# Allegro board 6089-119-RevA_41.brd (continued)
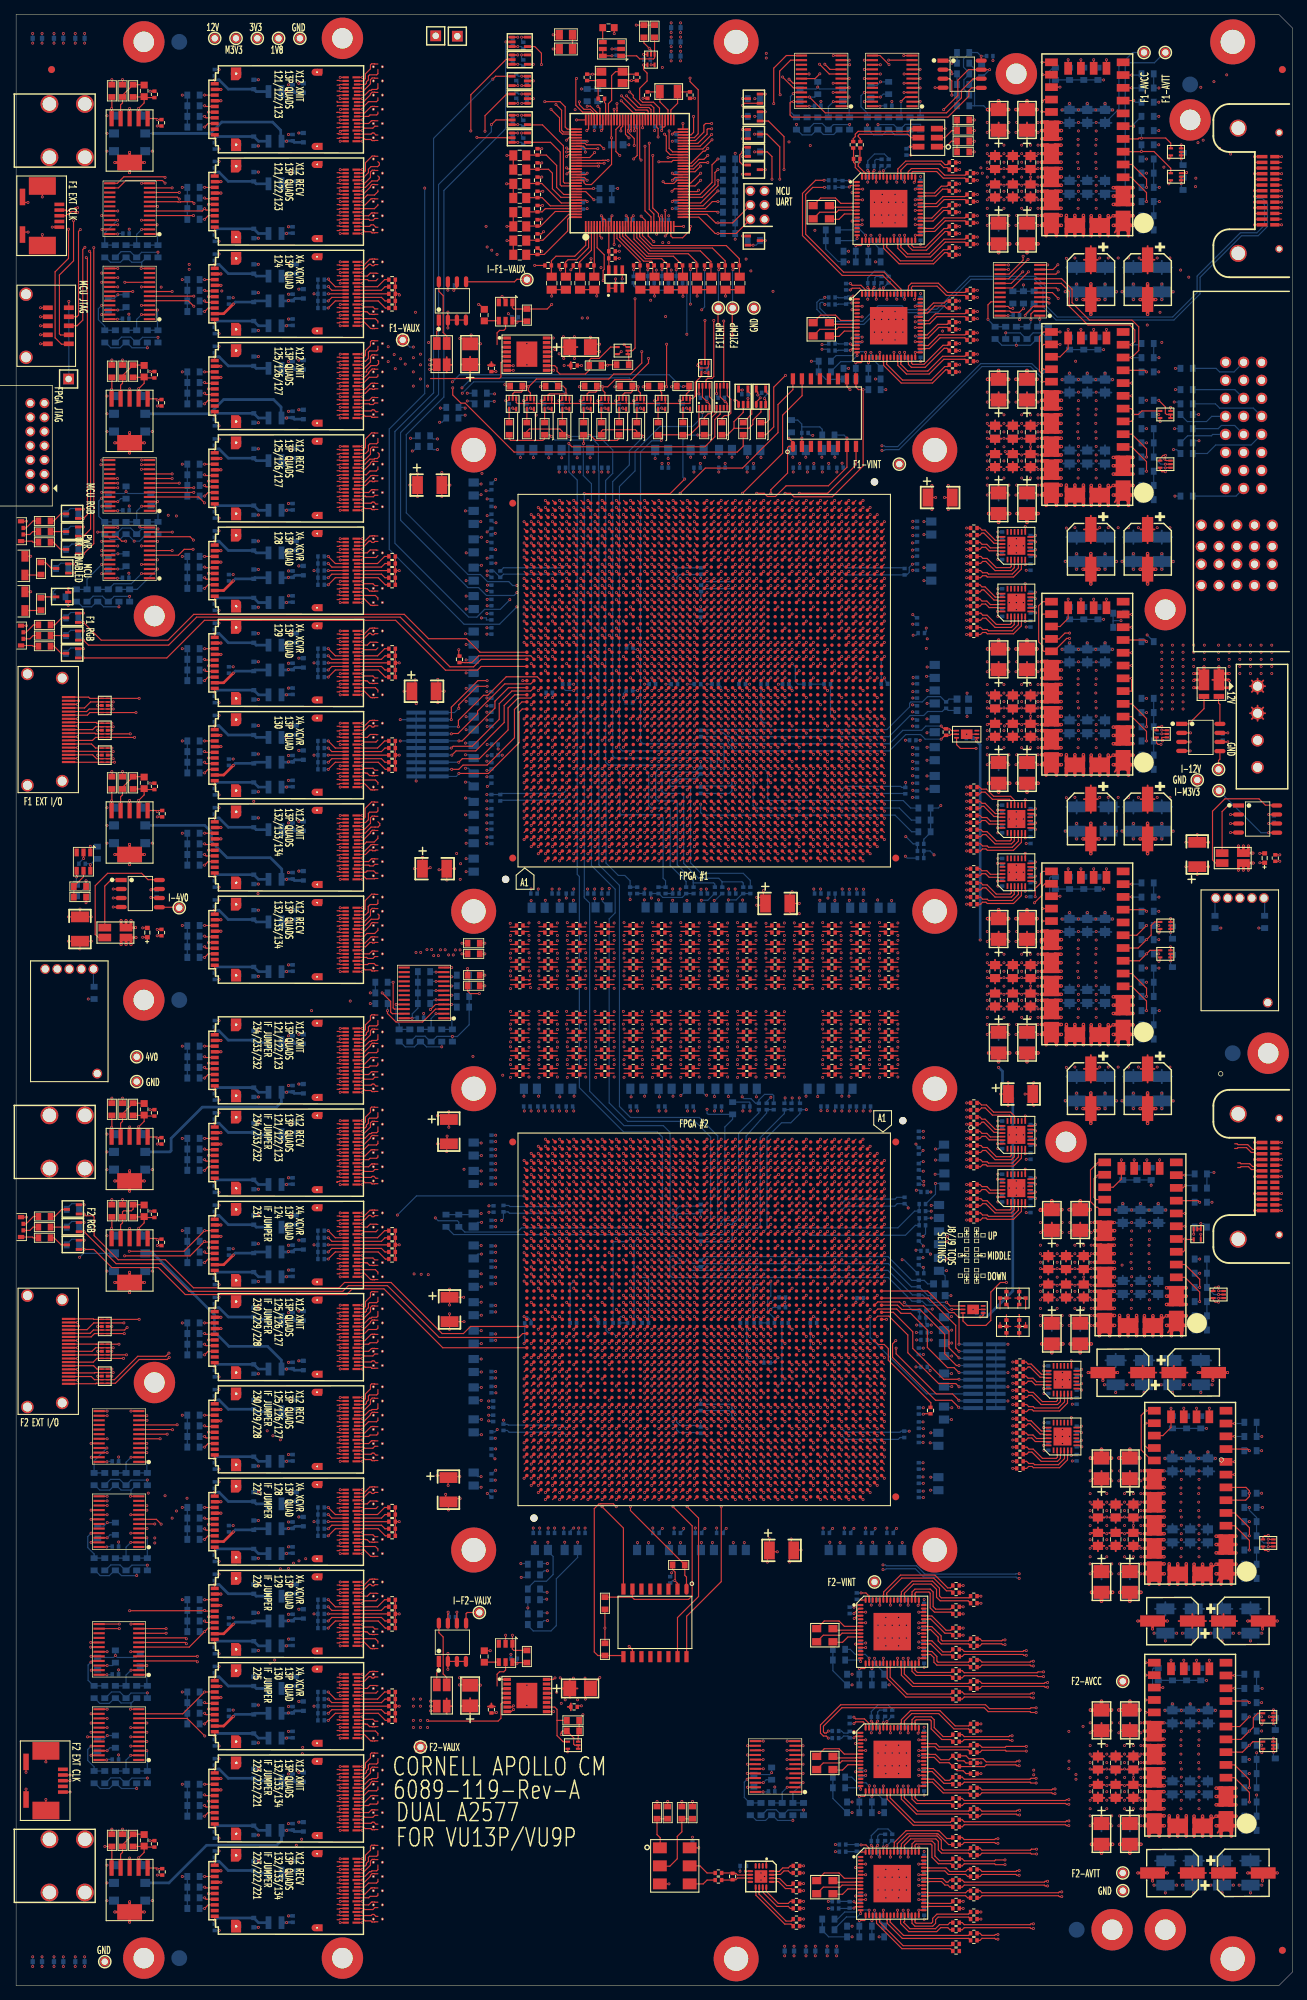
[diagram p0: board, top side]
## Routing (per net, layer and track width the routed paths; a pad name or vN(x,y) marks a point on that pad's centre or on a via; arc(x,y) is an arc through that point) (continued)
; U75.E17 v1(75.61,174.51) ; U77.AN36 v1(89.61,83.51) ; U77.AL5 v1(91.61,115.29) ; U75.F47 v1(76.61,205.29) ; U77.C45 v1(120.39,74.51) ; v1(45.69,261.28) 45.69,261.29 45.7,261.29 45.7,261.29 45.69,261.29 45.69,261.3 45.72,261.3 45.72,261.31 45.69,261.31 45.69,261.33 45.77,261.33 45.77,261.35 45.69,261.35 45.69,261.4 U24A.B16 ; U77.T41 v1(107.39,78.51) ; U31A.B7 v1(45.69,174.9) ; v1(110.4,151.06) 110.4,151.05 109.23,151.05 109.06,151.22 C227.2 ; U75.BJ36 v1(120.39,194.29) ; U41A.B1 v1(45.69,43.9) ; U42A.A1 v1(48.81,30.9) ; U75.BJ16 v1(120.39,173.51) ; U77.BL36 v1(71.61,83.51) ; U75.AC4 v1(93.61,161.51) ; U77.D11 v1(119.39,109.29) ; U77.W38 v1(104.39,81.51) ; U77.BE19 v1(77.61,101.29) ; U75.AY41 v1(111.39,199.29) ; U75.AH2 v1(99.39,159.51) ; U33A.B7 v1(45.69,148.9) ; C227.2 v1(110.4,152.5) ; U77.AN28 v1(89.61,91.51) ; U75.BF46 v1(117.39,204.29) ; U75.D36 v1(74.61,194.29) ; U77.C21 v1(120.39,99.29) ; U75.AJ48 v1(100.39,206.29) ; U77.AD35 v1(99.39,84.51) ; U38A.A16 v1(48.81,75.4) ; U26A.A4 v1(48.81,241.4) ; C11.2 v1(18.89,169.45) ; U77.F45 v1(117.39,74.51) ; v1(86.62,261.35) 86.65,261.35 86.65,261.55 86.7,261.6 U68.80 ; U77.AH29 v1(94.61,90.51) ; U75.AY46 v1(111.39,204.29) ; U77.AN20 v1(89.61,100.29) ; U24A.A13 v1(48.81,262.9) ; U75.AA22 v1(91.61,179.51) ; U77.BF1 v1(76.61,119.29) ; U77.K5 v1(113.39,115.29) ; U75.BF6 v1(117.39,163.51) ; U77.BE35 v1(77.61,84.51) ; U77.B31 v1(121.39,88.51) ; U77.AM21 v1(90.61,99.29) ; U75.J47 v1(79.61,205.29) ; U75.AH15 v1(99.39,172.51) ; U39A.B13 v1(45.69,63.9) ; U123.4 v1(171.19,162.5) ; U77.BH1 v1(74.61,119.29) ; U75.BK46 v1(121.39,204.29) ; U77.AW44 v1(83.61,75.51) ; U75.AC28 v1(93.61,186.29) ; U32A.A7 v1(48.81,161.9) ; U77.F50 v1(117.39,69.51) ; U29A.B4 v1(45.69,202.4) ; U77.BJ16 v1(73.61,104.29) ; U77.AG8 v1(95.61,112.29) ; U75.AL18 v1(102.39,175.51) ; U34A.A4 v1(48.81,133.4) ; U77.AV45 v1(84.61,74.51) ; U77.AN3 v1(89.61,117.29) ; U77.E17 v1(118.39,103.29) ; P2.26 v1(174.58,248.12) ; U75.AU24 v1(108.39,181.51) ; U77.BH36 v1(74.61,83.51) ; U75.AM35 v1(103.39,193.29) ; U77.AM47 v1(90.61,72.51) ; U77.AM2 v1(90.61,118.29) ; U77.AE40 v1(98.39,79.51) ; 126.3,271.98 v1(125.12,271.98) ; C21.2 v1(19.9,15.6) ; U25A.A7 v1(48.81,252.9) ; U77.AH6 v1(94.61,114.29) ; U75.AN47 v1(104.39,205.29) ; U77.BH16 v1(74.61,104.29) ; U75.BJ4 v1(120.39,161.51) ; U75.AT46 v1(107.39,204.29) ; U42A.A13 v1(48.81,24.9) ; U75.BC30 v1(114.39,188.29) ; U77.BK10 v1(72.61,110.29) ; U72.10 86.88,47.37 v1(86.42,47.83) ; U75.AM5 v1(103.39,162.51) ; U75.BA12 v1(112.39,169.51) ; U25A.B13 v1(45.69,249.9) ; U75.K45 v1(80.61,203.29) ; R65.1 v1(54.01,52.4) ; U77.BK20 v1(72.61,100.29) ; U75.T47 v1(86.61,205.29) ; U75.H18 v1(78.61,175.51) ; Q3.2 v1(9.5,208.05) ; U77.BJ4 v1(73.61,116.29) ; U77.AA36 v1(102.39,83.51) ; U35A.A13 v1(48.81,115.9) ; U75.T5 v1(86.61,162.51) ; U75.P51 v1(84.61,209.29) ; U75.AU14 v1(108.39,171.51) ; U77.B21 v1(121.39,99.29) ; 175.64,109.22 v1(174.58,109.22) ; U75.BG31 v1(118.39,189.29) ; U75.BG7 v1(118.39,164.51) ; U75.AT38 v1(107.39,196.29) ; U77.AF25 v1(97.39,95.29) ; U77.AL32 v1(91.61,87.51) ; U30A.B19 v1(45.69,181.9) ; U75.G18 v1(77.61,175.51) ; U75.AD31 v1(94.61,189.29) ; U37A.A19 v1(48.81,86.9) ; U77.AL18 v1(91.61,102.29) ; U77.T46 v1(107.39,73.51) ; U75.L5 v1(81.61,162.51) ; v1(150.37,237.59) 150.45,237.59 150.45,237.6 ; U77.AC22 v1(100.39,98.29) ; U43A.B1 v1(45.69,17.9) ; U24A.A10 v1(48.81,264.4) ; U75.AF35 v1(97.39,193.29) ; U75.H33 v1(78.61,191.29) ; U75.BK3 v1(121.39,160.51) ; U75.BE49 v1(116.39,207.29) ; U75.C4 v1(73.61,161.51) ; U75.N39 v1(83.61,197.29) ; U75.H50 v1(78.61,208.29) ; U75.AY5 v1(111.39,162.51) ; U75.BB5 v1(113.39,162.51) ; U77.AT47 v1(86.61,72.51) ; U77.H19 v1(115.39,101.29) ; U75.AD21 v1(94.61,178.51) ; U77.R14 v1(108.39,106.29) ; U75.Y17 v1(90.61,174.51) ; U42A.A10 v1(48.81,26.4) ; U77.G36 v1(116.39,83.51) ; U46.2 60.87,46.83 v1(60.88,46.83) ; U46.2 v1(60.87,44.59) ; U75.BG18 v1(118.39,175.51) ; U77.AJ34 v1(93.61,85.51) ; R14.1 v1(13.5,268.57) ; U77.W3 v1(104.39,117.29) ; U77.BK29 v1(72.61,90.51) ; U77.AR3 v1(87.61,117.29) ; U75.AR28 v1(106.39,186.29) ; U77.AG3 v1(95.61,117.29) ; U75.AN36 v1(104.39,194.29) ; U77.P37 v1(109.39,82.51) ; U75.AY47 v1(111.39,205.29) ; U77.W22 v1(104.39,98.29) ; U77.AK51 v1(92.61,68.51) ; U77.K19 v1(113.39,101.29) ; U77.BD38 v1(78.61,81.51) ; U77.BF36 v1(76.61,83.51) ; U75.B42 v1(72.61,200.29) ; U75.F32 v1(76.61,190.29) ; U77.BD51 v1(78.61,68.51) ; U42A.B1 v1(45.69,30.9) ; U75.B21 v1(72.61,178.51) ; U24A.A16 v1(48.81,261.4) ; U77.AB51 v1(101.39,68.51) ; U77.A26 v1(122.7,93.9) ; U77.T47 v1(107.39,72.51) ; U77.BH5 v1(74.61,115.29) ; U75.AR14 v1(106.39,171.51) ; v1(45.69,239.9) U26A.B7 ; U75.G44 v1(77.61,202.29) ; U75.AG12 v1(98.39,169.51) ; U77.U49 v1(106.39,70.51) ; U77.AD5 v1(99.39,115.29) ; U75.BH11 v1(119.39,168.51) ; U77.G47 v1(116.39,72.51) ; U75.AD19 v1(94.61,176.51) ; U75.AP38 v1(105.39,196.29) ; U77.AG22 v1(95.61,98.29) ; U77.AJ24 v1(93.61,96.29) ; U35A.A19 v1(48.81,112.9) ; U75.AB25 v1(92.61,182.51) ; U77.AY41 v1(82.61,78.51) ; U75.AE26 v1(95.61,184.29) ; U77.BC49 v1(79.61,70.51) ; U75.BK5 v1(121.39,162.51) ; U75.AU13 v1(108.39,170.51) ; Q15.2 v1(102.4,257.75) ; U75.AU26 v1(108.39,184.29) ; U75.BC12 v1(114.39,169.51) ; U77.AK42 v1(92.61,77.51) ; U77.AD21 v1(99.39,99.29) ; v1(96,238.08) C173.2 C174.2 ; U77.AY38 v1(82.61,81.51) ; U75.BG4 v1(118.39,161.51) ; U25A.B7 v1(45.69,252.9) ; U75.B4 v1(72.61,161.51) ; C30.2 65.31,236.9 v1(65.2,236.9) ; U37A.B10 v1(45.69,91.4) ; U29A.A13 v1(48.81,197.9) ; U77.H2 v1(115.39,118.29) ; U75.AE30 v1(95.61,188.29) ; U75.P37 v1(84.61,195.29) ; U75.H16 v1(78.61,173.51) ; U32A.A16 v1(48.81,157.4) ; U71.3 v1(92.03,14.36) ; U77.BE9 v1(77.61,111.29) ; U75.BJ9 v1(120.39,166.51) ; U77.A35 v1(122.39,84.51) ; U75.D6 v1(74.61,163.51) ; U77.AP38 v1(88.61,81.51) ; U75.C12 v1(73.61,169.51) ; U77.D47 v1(119.39,72.51) ; U75.AM46 v1(103.39,204.29) ; U75.BB7 v1(113.39,164.51) ; U75.AL3 v1(102.39,160.51) ; U77.AG28 v1(95.61,91.51) ; J2.6 v1(3.7,252.05) ; U75.BK47 v1(121.39,205.29) ; U77.BC3 v1(79.61,117.29) ; U77.A16 v1(122.39,104.29) ; U75.Y27 v1(90.61,185.29) ; U75.W8 v1(89.61,165.51) ; U77.D31 v1(119.39,88.51) ; U75.AM37 v1(103.39,195.29) ; U77.Y21 v1(103.39,99.29) ; U75.E4 v1(75.61,161.51) ; U75.AN9 v1(104.39,166.51) ; U77.AK50 v1(92.61,69.51) ; U16.3 v1(16,225.01) ; U77.P27 v1(109.39,92.51) ; U36A.A19 v1(48.81,99.9) ; U77.AM23 v1(90.61,97.29) ; U77.BH2 v1(74.61,118.29) ; U56.8 v1(70.08,227.62) ; U77.E12 v1(118.39,108.29) ; U77.A4 v1(122.39,116.29) ; U77.AP33 v1(88.61,86.51) ; U30A.A1 v1(48.81,190.9) ; 150.45,161.6 150.45,161.59 v1(150.37,161.59) ; U77.AH15 v1(94.61,105.29) ; U77.H15 v1(115.39,105.29) ; U42A.A7 v1(48.81,27.9) ; U75.AR30 v1(106.39,188.29) ; J5.2 v1(8.66,172.94) ; U75.AC8 v1(93.61,165.51) ; U77.AK17 v1(92.61,103.29) ; U77.C2 v1(120.39,118.29) ; U75.BL26 v1(122.39,184.29) ; U77.F31 v1(117.39,88.51) ; U77.Y51 v1(103.39,68.51) ; U75.AF31 v1(97.39,189.29) ; U77.BH50 v1(74.61,69.51) ; U77.T38 v1(107.39,81.51) ; U75.AW3 v1(110.39,160.51) ; U12.12 v1(16.12,38.98) ; U109.13 v1(161.2,116.38) ; Q8.2 v1(9.5,188.4) ; U75.BD5 v1(115.39,162.51) ; U75.AC32 v1(93.61,190.29) ; U77.V42 v1(105.39,77.51) ; U75.E21 v1(75.61,178.51) ; U77.AE30 v1(98.39,89.51) ; C540.2 v1(166.5,162.21) ; C540.2 v1(168.1,161.11) ; C540.2 v1(164.9,161.11) ; U28A.A16 v1(48.81,209.4) ; U75.BH1 v1(119.39,158.51) ; U75.C50 v1(73.61,208.29) ; U77.BD47 v1(78.61,72.51) ; U75.AC48 v1(93.61,206.29) ; U75.R8 v1(85.61,165.51) ; U77.AP10 v1(88.61,110.29) ; U75.BL35 v1(122.39,193.29) ; U77.Y25 v1(103.39,95.29) ; U75.AH41 v1(99.39,199.29) ; U43A.A10 v1(48.81,13.4) ; U77.G44 v1(116.39,75.51) ; U77.AN26 v1(89.61,94.29) ; U77.P5 v1(109.39,115.29) ; U75.E24 v1(75.61,181.51) ; U77.AN24 v1(89.61,96.29) ; U77.D46 v1(119.39,73.51) ; U75.AT31 v1(107.39,189.29) ; U75.AP19 v1(105.39,176.51) ; U75.AK2 v1(101.39,159.51) ; U75.AD46 v1(94.61,204.29) ; U75.AB17 v1(92.61,174.51) ; U75.AM41 v1(103.39,199.29) ; U32A.A13 v1(48.81,158.9) ; U77.AA14 v1(102.39,106.29) ; U77.AF10 v1(97.39,110.29) ; U75.BD50 v1(115.39,208.29) ; U75.AY50 v1(111.39,208.29) ; U77.Y38 v1(103.39,81.51) ; U77.V25 v1(105.39,95.29) ; U75.P50 v1(84.61,208.29) ; U75.AB45 v1(92.61,203.29) ; U77.AU5 v1(85.61,115.29) ; U77.V10 v1(105.39,110.29) ; U75.J14 v1(79.61,171.51) ; U77.AE24 v1(98.39,96.29) ; U77.BH19 v1(74.61,101.29) ; U75.E43 v1(75.61,201.29) ; U40A.A7 v1(48.81,53.9) ; U77.AN40 v1(89.61,79.51) ; U42A.B13 v1(45.69,24.9) ; U75.W38 v1(89.61,196.29) ; U75.A31 v1(71.61,189.29) ; U77.K1 v1(113.39,119.29) ; U75.BE34 v1(116.39,192.29) ; U75.AD25 v1(94.61,182.51) ; U75.AR24 v1(106.39,181.51) ; U75.W34 v1(89.61,192.29) ; U75.AR26 v1(106.39,184.29) ; U75.U48 v1(87.61,206.29) ; C116.2 v1(85.03,244.4) ; U75.BB47 v1(113.39,205.29) ; U75.AF33 v1(97.39,191.29) ; U77.AH2 v1(94.61,118.29) ; U75.Y23 v1(90.61,180.51) ; U77.AG16 v1(95.61,104.29) ; U39A.A16 v1(48.81,62.4) ; U77.AJ32 v1(93.61,87.51) ; U75.BB14 v1(113.39,171.51) ; U75.AN22 v1(104.39,179.51) ; U75.AK1 v1(101.39,158.51) ; U77.AF39 v1(97.39,80.51) ; U77.V5 v1(105.39,115.29) ; U75.AK42 v1(101.39,200.29) ; J5.17 v1(8.66,180.56) ; U77.AC20 v1(100.39,100.29) ; U75.V50 v1(88.61,208.29) ; U75.AD17 v1(94.61,174.51) ; U75.AM21 v1(103.39,178.51) ; U40A.B16 v1(45.69,49.4) ; U77.N14 v1(110.39,106.29) ; U75.AP25 v1(105.39,182.51) ; U77.D5 v1(119.39,115.29) ; U77.L5 v1(112.39,115.29) ; U77.AM25 v1(90.61,95.29) ; U75.R47 v1(85.61,205.29) ; U30A.B13 v1(45.69,184.9) ; U40A.B4 v1(45.69,55.4) ; U77.A18 v1(122.39,102.29) ; U77.U9 v1(106.39,111.29) ; U75.A43 v1(71.61,201.29) ; U75.B10 v1(72.61,167.51) ; U75.AB23 v1(92.61,180.51) ; U38A.B10 v1(45.69,78.4) ; Q12.2 v1(105.6,266.55) ; U75.H25 v1(78.61,182.51) ; U77.BD14 v1(78.61,106.29) ; U42A.B10 v1(45.69,26.4) ; U75.BK36 v1(121.39,194.29) ; U77.A48 v1(122.39,71.51) ; U75.BF36 v1(117.39,194.29) ; U77.AB10 v1(101.39,110.29) ; U75.AC49 v1(93.61,207.29) ; U75.C34 v1(73.61,192.29) ; U68.64 v1(94,262.4) ; U75.V42 v1(88.61,200.29) ; U75.M50 v1(82.61,208.29) ; U77.M47 v1(111.39,72.51) ; U77.AH11 v1(94.61,109.29) ; U75.BA36 v1(112.39,194.29) ; U75.AF39 v1(97.39,197.29) ; U77.BF32 v1(76.61,87.51) ; U77.BK21 v1(72.61,99.29) ; U75.Y38 v1(90.61,196.29) ; U77.A31 v1(122.39,88.51) ; U26A.B19 v1(45.69,233.9) ; U77.AJ20 v1(93.61,100.29) ; U75.AE49 v1(95.61,207.29) ; U77.P38 v1(109.39,81.51) ; U75.BH21 v1(119.39,178.51) ; U77.W8 v1(104.39,112.29) ; U77.U18 v1(106.39,102.29) ; U75.BJ50 v1(120.39,208.29) ; U77.N5 v1(110.39,115.29) ; U75.BJ49 v1(120.39,207.29) ; U75.AJ20 v1(100.39,177.51) ; U75.P38 v1(84.61,196.29) ; C117.2 v1(85.03,243.4) ; R111.1 v1(91.85,25.97) ; U75.AN3 v1(104.39,160.51) ; U77.AA12 v1(102.39,108.29) ; U75.BG12 v1(118.39,169.51) ; U75.AR12 v1(106.39,169.51) ; U77.F10 v1(117.39,110.29) ; U77.AE32 v1(98.39,87.51) ; U77.AD50 v1(99.39,69.51) ; U75.H37 v1(78.61,195.29) ; C134.2 v1(86.75,268.45) 85.85,268.45 X1.4 ; U75.BG3 v1(118.39,160.51) ; C14.2 v1(18.89,20.45) ; U77.AK27 v1(92.61,92.51) ; U75.AG44 v1(98.39,202.29) ; U38A.B13 v1(45.69,76.9) ; U77.F7 v1(117.39,113.29) ; U27A.A19 v1(48.81,220.9) ; U77.BF33 v1(76.61,86.51) ; U75.BA48 v1(112.39,206.29) ; U75.BG45 v1(118.39,203.29) ; U77.AT21 v1(86.61,99.29) ; U75.P7 v1(84.61,164.51) ; U56.7 v1(70.08,228.28) ; U75.BK4 v1(121.39,161.51) ; U77.A13 v1(122.39,107.29) ; U40A.A13 v1(48.81,50.9) ; U75.AP31 v1(105.39,189.29) ; U75.BH32 v1(119.39,190.29) ; U75.AU9 v1(108.39,166.51) ; C8.2 v1(17.85,149.06) ; U77.BE24 v1(77.61,96.29) ; U77.AA28 v1(102.39,91.51) ; U77.F32 v1(117.39,87.51) ; U33A.A16 v1(48.81,144.4) ; U77.K2 v1(113.39,118.29) ; U77.U14 v1(106.39,106.29) ; U75.M47 v1(82.61,205.29) ; U28A.A10 v1(48.81,212.4) ; U75.AR44 v1(106.39,202.29) ; U75.AB42 v1(92.61,200.29) ; U77.BH47 v1(74.61,72.51) ; U77.F51 v1(117.39,68.51) ; J5.8 v1(8.66,175.98) ; U75.BE12 v1(116.39,169.51) ; U77.D36 v1(119.39,83.51) ; U77.B7 v1(121.39,113.29) ; U34A.A7 v1(48.81,131.9) ; U75.AF7 v1(97.39,164.51) ; U77.AH1 v1(94.61,119.29) ; P3.13 v1(178.38,114.03) ; U77.Y31 v1(103.39,88.51) ; U77.BD6 v1(78.61,114.29) ; U75.Y37 v1(90.61,195.29) ; U75.BE3 v1(116.39,160.51) ; U75.AK50 v1(101.39,208.29) ; U75.M23 v1(82.61,180.51) ; U75.BA5 v1(112.39,162.51) ; U77.D2 v1(119.39,118.29) ; U77.F42 v1(117.39,77.51) ; U77.BE4 v1(77.61,116.29) ; U77.H37 v1(115.39,82.51) ; U75.Y19 v1(90.61,176.51) ; U75.E3 v1(75.61,160.51) ; U75.AK15 v1(101.39,172.51) ; U75.AT23 v1(107.39,180.51) ; U34A.B7 v1(45.69,131.9) ; U77.P50 v1(109.39,69.51) ; U75.AK21 v1(101.39,178.51) ; U25A.A10 v1(48.81,251.4) ; U77.F1 v1(117.39,119.29) ; U77.AF50 v1(97.39,69.51) ; U77.AB45 v1(101.39,74.51) ; U77.J38 v1(114.39,81.51) ; U77.W40 v1(104.39,79.51) ; U77.BH37 v1(74.61,82.51) ; U77.H38 v1(115.39,81.51) ; U75.AV45 v1(109.39,203.29) ; U75.BE47 v1(116.39,205.29) ; U75.G8 v1(77.61,165.51) ; U75.AM51 v1(103.39,209.29) ; U77.Y47 v1(103.39,72.51) ; U75.AE48 v1(95.61,206.29) ; U77.Y35 v1(103.39,84.51) ; U75.BH2 v1(119.39,159.51) ; U75.C18 v1(73.61,175.51) ; U27A.A13 v1(48.81,223.9) ; U75.AV50 v1(109.39,208.29) ; U24A.B4 v1(45.69,267.4) ; C16.2 v1(19.9,222.6) ; U77.AD6 v1(99.39,114.29) ; U75.AJ16 v1(100.39,173.51) ; U77.V23 v1(105.39,97.29) ; U123.7 v1(176.57,165.03) ; U75.BE19 v1(116.39,176.51) ; U25A.B16 v1(45.69,248.4) ; U31A.A19 v1(48.81,168.9) ; U75.AE5 v1(95.61,162.51) ; U77.U3 v1(106.39,117.29) ; U75.AV15 v1(109.39,172.51) ; U75.AD6 v1(94.61,163.51) ; U24A.B10 45.73,264.4 v1(45.72,264.39) ; U75.H47 v1(78.61,205.29) ; U77.AD2 v1(99.39,118.29) ; U77.K10 v1(113.39,110.29) ; U75.A4 v1(71.61,161.51) ; R16.1 v1(13.5,171.07) ; U25A.A13 v1(48.81,249.9) ; U75.AJ3 v1(100.39,160.51) ; U75.AN32 v1(104.39,190.29) ; U40A.B19 v1(45.69,47.9) ; U77.BJ45 v1(73.61,74.51) ; U77.H18 v1(115.39,102.29) ; U26A.A1 v1(48.81,242.9) ; U77.T21 v1(107.39,99.29) ; U75.G16 v1(77.61,173.51) ; U75.BG35 v1(118.39,193.29) ; U75.BL8 v1(122.39,165.51) ; U77.T50 v1(107.39,69.51) ; U24A.B13 v1(45.69,262.9) ; U75.H20 v1(78.61,177.51) ; U40A.A16 v1(48.81,49.4) ; U77.AR5 v1(87.61,115.29) ; U75.AW48 v1(110.39,206.29) ; U75.E39 v1(75.61,197.29) ; U75.AB37 v1(92.61,195.29) ; U75.AM2 v1(103.39,159.51) ; U75.H14 v1(78.61,171.51) ; U77.AC16 v1(100.39,104.29) ; U75.AR48 v1(106.39,206.29) ; U75.AE12 v1(95.61,169.51) ; U77.R8 v1(108.39,112.29) ; U77.AV47 v1(84.61,72.51) ; U77.AK45 v1(92.61,74.51) ; U77.BB42 v1(80.61,77.51) ; U77.C16 v1(120.39,104.29) ; U77.BH7 v1(74.61,113.29) ; U37A.A16 v1(48.81,88.4) ; U28A.A19 v1(48.81,207.9) ; U75.B48 v1(72.61,206.29) ; P3.8 v1(174.58,116.42) ; U77.AD15 v1(99.39,105.29) ; U75.K29 v1(80.61,187.29) ; U36A.A16 v1(48.81,101.4) ; U77.AR4 v1(87.61,116.29) ; U35A.B16 v1(45.69,114.4) ; U75.AH23 v1(99.39,180.51) ; U24A.B1 v1(45.69,268.9) ; U75.AC47 v1(93.61,205.29) ; U7.8 v1(13.5,89.4) ; U75.H36 v1(78.61,194.29) ; U77.J48 v1(114.39,71.51) ; U118.13 v1(168.2,45.88) ; U77.BH41 v1(74.61,78.51) ; U10.12 v1(16.12,68.97) ; U75.BG40 v1(118.39,198.29) ; U77.B46 v1(121.39,73.51) ; U75.K19 v1(80.61,176.51) ; U75.U43 v1(87.61,201.29) ; U77.W20 v1(104.39,100.29) ; U77.H17 v1(115.39,103.29) ; U35A.A4 v1(48.81,120.4) ; U75.AK10 v1(101.39,167.51) ; P2.2 v1(174.58,257.73) ; U75.AF1 v1(97.39,158.51) ; U75.B20 v1(72.61,177.51) ; U75.L16 v1(81.61,173.51) ; U92.3 v1(130.95,261.67) ; U77.H14 v1(115.39,106.29) ; U75.AU38 v1(108.39,196.29) ; U75.Y31 v1(90.61,189.29) ; U75.AP15 v1(105.39,172.51) ; P2.7 v1(178.38,255.32) ; U75.AV47 v1(109.39,205.29) ; C32.2 v1(67.64,227.45) ; U77.AF1 v1(97.39,119.29) ; U75.N20 v1(83.61,177.51) ; U77.L8 v1(112.39,112.29) ; U75.V2 v1(88.61,159.51) ; U32A.A1 v1(48.81,164.9) ; U38A.A19 v1(48.81,73.9) ; U77.AL30 v1(91.61,89.51) ; U75.BH33 v1(119.39,191.29) ; U4.3 v1(11.5,176.9) ; U75.F1 v1(76.61,158.51) ; U77.AE9 v1(98.39,111.29) ; U77.V7 v1(105.39,113.29) ; U77.AE36 v1(98.39,83.51) ; U75.AB29 v1(92.61,187.29) ; U77.G48 v1(116.39,71.51) ; U30A.B16 v1(45.69,183.4) ; U75.AM1 v1(103.39,158.51) ; U75.AC26 v1(93.61,184.29) ; U75.R3 v1(85.61,160.51) ; U77.AT31 v1(86.61,88.51) ; U77.E49 v1(118.39,70.51) ; U75.BF7 v1(117.39,164.51) ; U75.AV7 v1(109.39,164.51) ; U75.H19 v1(78.61,176.51) ; U77.AM41 v1(90.61,78.51) ; U77.U38 v1(106.39,81.51) ; U77.AY6 v1(82.61,114.29) ; R17.1 v1(13.5,125.07) ; U77.BK3 v1(72.61,117.29) ; U41A.B7 v1(45.69,40.9) ; U77.AR48 v1(87.61,71.51) ; U77.BF31 v1(76.61,88.51) ; U75.AJ49 v1(100.39,207.29) ; U75.AL4 v1(102.39,161.51) ; U75.AL36 v1(102.39,194.29) ; U94.5 v1(134,176.35) ; U77.B3 v1(121.39,117.29) ; U77.H1 v1(115.39,119.29) ; U26A.A13 v1(48.81,236.9) ; U77.AR30 v1(87.61,89.51) ; U75.L49 v1(81.61,207.29) ; U77.W28 v1(104.39,91.51) ; U27A.B7 v1(45.69,226.9) ; U77.BF16 v1(76.61,104.29) ; U28A.B1 v1(45.69,216.9) ; Q6.2 v1(9.5,193.4) ; U77.BE48 v1(77.61,71.51) ; U77.AH40 v1(94.61,79.51) ; U75.AD39 v1(94.61,197.29) ; J5.11 v1(8.66,177.51) ; U75.AT21 v1(107.39,178.51) ; U28A.B13 v1(45.69,210.9) ; U77.AB21 v1(101.39,99.29) ; U75.E45 v1(75.61,203.29) ; U77.AF37 v1(97.39,82.51) ; U77.C17 v1(120.39,103.29) ; U75.AL26 v1(102.39,184.29) ; U75.AB33 v1(92.61,191.29) ; U75.M2 v1(82.61,159.51) ; U75.AG28 v1(98.39,186.29) ; U77.BE43 v1(77.61,76.51) ; U77.BF45 v1(76.61,74.51) ; U77.AB50 v1(101.39,69.51) ; U75.AE28 v1(95.61,186.29) ; U75.BJ31 v1(120.39,189.29) ; U77.AK29 v1(92.61,90.51) ; U75.M33 v1(82.61,191.29) ; U75.AV10 v1(109.39,167.51) ; U75.AP42 v1(105.39,200.29) ; U77.W12 v1(104.39,108.29) ; U77.AF31 v1(97.39,88.51) ; U75.H5 v1(78.61,162.51) ; U75.BF5 v1(117.39,162.51) ; U77.BF2 v1(76.61,118.29) ; U75.BL12 v1(122.39,169.51) ; U77.B48 v1(121.39,71.51) ; U75.AK17 v1(101.39,174.51) ; U77.AU49 v1(85.61,70.51) ; U75.AN30 v1(104.39,188.29) ; U75.AT47 v1(107.39,205.29) ; U77.AV5 v1(84.61,115.29) ; U75.P42 v1(84.61,200.29) ; U77.AU39 v1(85.61,80.51) ; U77.D37 v1(119.39,82.51) ; U75.T46 v1(86.61,204.29) ; U75.D50 v1(74.61,208.29) ; U70.3 v1(88.46,272.14) ; U33A.A19 v1(48.81,142.9) ; U75.K10 v1(80.61,167.51) ; U77.V1 v1(105.39,119.29) ; U75.T51 v1(86.61,209.29) ; U75.W48 v1(89.61,206.29) ; U77.AP19 v1(88.61,101.29) ; U77.C12 v1(120.39,108.29) ; R18.1 v1(13.5,110.77) ; U77.BH33 v1(74.61,86.51) ; U35A.A1 v1(48.81,121.9) ; U75.R44 v1(85.61,202.29) ; U77.F46 v1(117.39,73.51) ; U77.BG12 v1(75.61,108.29) ; U33A.B10 v1(45.69,147.4) ; U77.K47 v1(113.39,72.51) ; U77.AC49 v1(100.39,70.51) ; U77.E39 v1(118.39,80.51) ; U75.D37 v1(74.61,195.29) ; U77.AT29 v1(86.61,90.51) ; U77.BK49 v1(72.61,70.51) ; U77.M2 v1(111.39,118.29) ; U77.Y41 v1(103.39,78.51) ; U77.AK23 v1(92.61,97.29) ; U77.AB5 v1(101.39,115.29) ; U75.AB31 v1(92.61,189.29) ; U75.BC49 v1(114.39,207.29) ; U77.P2 v1(109.39,118.29) ; U75.L12 v1(81.61,169.51) ; U75.F2 v1(76.61,159.51) ; U75.BH15 v1(119.39,172.51) ; U77.AV38 v1(84.61,81.51) ; U75.N47 v1(83.61,205.29) ; U75.Y15 v1(90.61,172.51) ; U77.AF45 v1(97.39,74.51) ; U75.BJ35 v1(120.39,193.29) ; U75.D21 v1(74.61,178.51) ; U77.AR24 v1(87.61,96.29) ; U75.AJ22 v1(100.39,179.51) ; U77.E9 v1(118.39,111.29) ; P3.19 v1(178.38,111.62) ; U75.AC38 v1(93.61,196.29) ; U77.BC40 v1(79.61,79.51) ; U75.AC30 v1(93.61,188.29) ; U77.G40 v1(116.39,79.51) ; U75.AV35 v1(109.39,193.29) ; U75.N4 v1(83.61,161.51) ; U75.AE43 v1(95.61,201.29) ; U77.A7 v1(122.39,113.29) ; U33A.B16 v1(45.69,144.4) ; U43A.A1 v1(48.81,17.9) ; U75.U38 v1(87.61,196.29) ; U75.AE16 v1(95.61,173.51) ; U75.BB45 v1(113.39,203.29) ; U77.AC5 v1(100.39,115.29) ; U75.AC36 v1(93.61,194.29) ; U75.BH31 v1(119.39,189.29) ; U75.AM50 v1(103.39,208.29) ; U75.N14 v1(83.61,171.51) ; U75.K42 v1(80.61,200.29) ; U77.F47 v1(117.39,72.51) ; P3.14 v1(174.58,114.03) ; U75.U3 v1(87.61,160.51) ; P2.13 v1(178.38,252.93) ; U50.3 v1(70.72,273.24) ; U75.AH50 v1(99.39,208.29) ; U77.AU28 v1(85.61,91.51) ; U75.A18 v1(71.61,175.51) ; R23.2 v1(15,171.07) ; U77.E43 v1(118.39,76.51) ; U8.8 v1(13.5,85.9) ; U77.AJ48 v1(93.61,71.51) ; U77.T5 v1(107.39,115.29) ; U75.E18 v1(75.61,175.51) ; U75.AF2 v1(97.39,159.51) ; U77.J5 v1(114.39,115.29) ; U77.AE12 v1(98.39,108.29) ; U77.BB23 v1(80.61,97.29) ; U75.BH6 v1(119.39,163.51) ; U77.V50 v1(105.39,69.51) ; U75.AM17 v1(103.39,174.51) ; U75.AB38 v1(92.61,196.29) ; U75.AK25 v1(101.39,182.51) ; U75.K14 v1(80.61,171.51) ; U75.AA14 v1(91.61,171.51) ; U77.AK37 v1(92.61,82.51) ; U75.AD37 v1(94.61,195.29) ; U75.AJ39 v1(100.39,197.29) ; U77.AH23 v1(94.61,97.29) ; U77.AL16 v1(91.61,104.29) ; U75.BH25 v1(119.39,182.51) ; U75.B45 v1(72.61,203.29) ; U77.AP37 v1(88.61,82.51) ; U75.F6 v1(76.61,163.51) ; U77.AH47 v1(94.61,72.51) ; U77.AV51 v1(84.61,68.51) ; U77.BF7 v1(76.61,113.29) ; U75.AW8 v1(110.39,165.51) ; U77.AB17 v1(101.39,103.29) ; C18.2 v1(19.9,118.6) ; U77.AC3 v1(100.39,117.29) ; U75.AL28 v1(102.39,186.29) ; U77.A45 v1(122.39,74.51) ; U77.AU43 v1(85.61,76.51) ; U75.U49 v1(87.61,207.29) ; U75.E34 v1(75.61,192.29) ; U77.AL12 v1(91.61,108.29) ; U77.BD11 v1(78.61,109.29) ; U75.P27 v1(84.61,185.29) ; U77.J22 v1(114.39,98.29) ; U75.AA49 v1(91.61,207.29) ; U77.BK47 v1(72.61,72.51) ; U42A.A19 v1(48.81,21.9) ; U75.B19 v1(72.61,176.51) ; U19.3 v1(16,167.01) ; U45.7 v1(60.87,238.91) ; U34A.B13 v1(45.69,128.9) ; U77.C4 v1(120.39,116.29) ; U36A.B13 v1(45.69,102.9) ; U75.BL21 v1(122.39,178.51) ; U75.AN26 v1(104.39,184.29) ; U13.3 v1(16,264.51) ; U75.BK45 v1(121.39,203.29) ; Q7.2 v1(9.5,190.9) ; U75.V38 v1(88.61,196.29) ; U82.1 v1(105.75,17.61) ; U77.B6 v1(121.39,114.29) ; U77.E21 v1(118.39,99.29) ; U75.AF15 v1(97.39,172.51) ; U75.F7 v1(76.61,164.51) ; U75.AU39 v1(108.39,197.29) ; U75.AH1 v1(99.39,158.51) ; U77.AN34 v1(89.61,85.51) ; U35A.A10 v1(48.81,117.4) ; U75.BC44 v1(114.39,202.29) ; U77.AW48 v1(83.61,71.51) ; U77.AR12 v1(87.61,108.29) ; U77.AB27 v1(101.39,92.51) ; U75.C8 v1(73.61,165.51) ; U77.AJ14 v1(93.61,106.29) ; U77.BG45 v1(75.61,74.51) ; U77.AM50 v1(90.61,69.51) ; U75.AD2 v1(94.61,159.51) ; U35A.A16 v1(48.81,114.4) ; U75.AM25 v1(103.39,182.51) ; U75.F42 v1(76.61,200.29) ; U77.AP5 v1(88.61,115.29) ; U77.AU13 v1(85.61,107.29) ; U75.BB42 v1(113.39,200.29) ; U77.BD5 v1(78.61,115.29) ; U77.AA32 v1(102.39,87.51) ; U75.AE38 v1(95.61,196.29) ; U77.W47 v1(104.39,72.51) ; U75.AN48 v1(104.39,206.29) ; U75.BF1 v1(117.39,158.51) ; U75.AD41 v1(94.61,199.29) ; U77.BL12 v1(71.61,108.29) ; U75.AC5 v1(93.61,162.51) ; U75.K50 v1(80.61,208.29) ; U77.AT38 v1(86.61,81.51) ; U77.AF29 v1(97.39,90.51) ; U77.AW22 v1(83.61,98.29) ; U75.BF32 v1(117.39,190.29) ; U77.AL38 v1(91.61,81.51) ; U75.AC34 v1(93.61,192.29) ; U77.AL22 v1(91.61,98.29) ; U43A.A16 v1(48.81,10.4) ; U75.BF16 v1(117.39,173.51) ; U77.BF50 v1(76.61,69.51) ; U39A.B16 v1(45.69,62.4) ; U34A.B10 v1(45.69,130.4) ; U75.Y2 v1(90.61,159.51) ; U38A.B4 v1(45.69,81.4) ; U75.AA18 v1(91.61,175.51) ; U24A.B19 v1(45.69,259.9) ; U77.BH6 v1(74.61,114.29) ; U77.AA34 v1(102.39,85.51) ; U75.AV2 v1(109.39,159.51) ; U75.AN4 v1(104.39,161.51) ; U77.AU38 v1(85.61,81.51) ; U75.C17 v1(73.61,174.51) ; U75.B14 v1(72.61,171.51) ; U77.AM19 v1(90.61,101.29) ; U75.B5 v1(72.61,162.51) ; U27A.B16 v1(45.69,222.4) ; U77.P42 v1(109.39,77.51) ; U75.AG47 v1(98.39,205.29) ; 130.66,267.44 v1(129.54,267.44) ; U77.BA26 v1(81.61,94.29) ; U75.BA3 v1(112.39,160.51) ; U23.4 v1(13.69,152) ; U77.N13 v1(110.39,107.29) ; U75.AA40 v1(91.61,198.29) ; U11.12 v1(16.2,50.98) ; U75.AJ47 v1(100.39,205.29) ; U75.AL24 v1(102.39,181.51) ; U77.AM5 v1(90.61,115.29) ; U75.AL48 v1(102.39,206.29) ; U75.AN16 v1(104.39,173.51) ; U77.C48 v1(120.39,71.51) ; U43A.B4 v1(45.69,16.4) ; U75.B31 v1(72.61,189.29) ; U77.V29 v1(105.39,90.51) ; U36A.B19 v1(45.69,99.9) ; U77.Y15 v1(103.39,105.29) ; U75.AJ38 v1(100.39,196.29) ; U75.BK19 v1(121.39,176.51) ; U77.C34 v1(120.39,85.51) ; Q14.2 v1(102.4,260.25) ; U75.BH16 v1(119.39,173.51) ; U77.Y50 v1(103.39,69.51) ; R26.2 v1(15,22.07) ; U77.C18 v1(120.39,102.29) ; U77.D21 v1(119.39,99.29) ; U77.L36 v1(112.39,83.51) ; U75.G3 v1(77.61,160.51) ; U75.BA9 v1(112.39,166.51) ; U75.AK35 v1(101.39,193.29) ; U75.AB47 v1(92.61,205.29) ; U77.B4 v1(121.39,116.29) ; U75.AK7 v1(101.39,164.51) ; U31A.B4 v1(45.69,176.4) ; U75.BK6 v1(121.39,163.51) ; U25A.A16 v1(48.81,248.4) ; R21.2 v1(15,268.57) ; U75.R40 v1(85.61,198.29) ; U77.J12 v1(114.39,108.29) ; U31A.A1 v1(48.81,177.9) ; U75.C49 v1(73.61,207.29) ; U77.AB29 v1(101.39,90.51) ; U75.AY29 v1(111.39,187.29) ; J6.2 v1(8.66,85.34) ; U77.M51 v1(111.39,68.51) ; U77.C50 v1(120.39,69.51) ; U32A.A19 v1(48.81,155.9) ; U77.AY46 v1(82.61,73.51) ; U75.AE22 v1(95.61,179.51) ; U75.B16 v1(72.61,173.51) ; U77.AJ39 v1(93.61,80.51) ; U75.AU48 v1(108.39,206.29) ; U77.BA48 v1(81.61,71.51) ; U75.AL44 v1(102.39,202.29) ; U75.U18 v1(87.61,175.51) ; U34A.A16 v1(48.81,127.4) ; U75.H6 v1(78.61,163.51) ; U77.BC4 v1(79.61,116.29) ; U77.B14 v1(121.39,106.29) ; U35A.B13 v1(45.69,115.9) ; J6.13 v1(8.66,90.92) ; U77.AL34 v1(91.61,85.51) ; U75.AY38 v1(111.39,196.29) ; U77.BL34 v1(71.61,85.51) ; R142.1 v1(135.07,261.4) ; U77.AV2 v1(84.61,118.29) ; U23.2 v1(13.69,154.53) ; U75.BJ17 v1(120.39,174.51) ; U77.AF40 v1(97.39,79.51) ; U75.BK48 v1(121.39,206.29) ; U77.H11 v1(115.39,109.29) ; U75.BA43 v1(112.39,201.29) ; U75.BJ39 v1(120.39,197.29) ; P3.20 v1(174.58,111.62) ; U75.AE3 v1(95.61,160.51) ; U75.BE17 v1(116.39,174.51) ; U75.BB10 v1(113.39,167.51) ; U77.AT5 v1(86.61,115.29) ; U77.BC44 v1(79.61,75.51) ; U77.AH50 v1(94.61,69.51) ; U77.AD37 v1(99.39,82.51) ; U75.BD14 v1(115.39,171.51) ; U75.BC47 v1(114.39,205.29) ; U75.AT6 v1(107.39,163.51) ; U75.G36 v1(77.61,194.29) ; U43A.A19 v1(48.81,8.9) ; U77.BK7 v1(72.61,113.29) ; U75.N13 v1(83.61,170.51) ; U77.P17 v1(109.39,103.29) ; U77.W44 v1(104.39,75.51) ; U77.AY19 v1(82.61,101.29) ; U77.BG28 v1(75.61,91.51) ; U77.C31 v1(120.39,88.51) ; U77.BB14 v1(80.61,106.29) ; U77.N9 v1(110.39,111.29) ; C20.2 v1(19.9,164.7) ; U75.R49 v1(85.61,207.29) ; U75.BJ18 v1(120.39,175.51) ; U75.AK5 v1(101.39,162.51) ; U75.Y47 v1(90.61,205.29) ; U75.D45 v1(74.61,203.29) ; U77.AB2 v1(101.39,118.29) ; U77.AB42 v1(101.39,77.51) ; U77.BL26 v1(71.61,94.29) ; U75.B46 v1(72.61,204.29) ; U77.AW40 v1(83.61,79.51) ; U75.AM47 v1(103.39,205.29) ; U75.AL40 v1(102.39,198.29) ; U75.G31 v1(77.61,189.29) ; U75.BK42 v1(121.39,200.29) ; U75.AV1 v1(109.39,158.51) ; U75.AJ9 v1(100.39,166.51) ; U75.BD6 v1(115.39,163.51) ; U77.AK33 v1(92.61,86.51) ; U75.AF29 v1(97.39,187.29) ; U77.C49 v1(120.39,70.51) ; U38A.B7 v1(45.69,79.9) ; U75.AH40 v1(99.39,198.29) ; U113.3 v1(162.74,150.38) ; U77.Y27 v1(103.39,92.51) ; U77.Y2 v1(103.39,118.29) ; U77.AD29 v1(99.39,90.51) ; U77.N30 v1(110.39,89.51) ; U75.F21 v1(76.61,178.51) ; U75.BL36 v1(122.39,194.29) ; U77.AP51 v1(88.61,68.51) ; U75.BD41 v1(115.39,199.29) ; U75.T21 v1(86.61,178.51) ; J2.7 v1(3.7,246.75) ; U77.AB7 v1(101.39,113.29) ; U43A.B13 v1(45.69,11.9) ; U77.V2 v1(105.39,118.29) ; U77.BL48 v1(71.61,71.51) ; U26A.A7 v1(48.84,239.9) ; U36A.B16 v1(45.69,101.4) ; U77.AH41 v1(94.61,78.51) ; U77.AC4 v1(100.39,116.29) ; U26A.B16 v1(45.69,235.4) ; U37A.A13 v1(48.81,89.9) ; U75.AK51 v1(101.39,209.29) ; U75.L40 v1(81.61,198.29) ; U75.A48 v1(71.61,206.29) ; U77.AH51 v1(94.61,68.51) ; U75.BC8 v1(114.39,165.51) ; U75.BD1 v1(115.39,158.51) ; U75.BH50 v1(119.39,208.29) ; U75.AC20 v1(93.61,177.51) ; U75.AG30 v1(98.39,188.29) ; U77.Y33 v1(103.39,86.51) ; U77.D20 v1(119.39,100.29) ; U75.V5 v1(88.61,162.51) ; U75.AL14 v1(102.39,171.51) ; U77.BK48 v1(72.61,71.51) ; U77.AF12 v1(97.39,108.29) ; U77.BE38 v1(77.61,81.51) ; U75.M41 v1(82.61,199.29) ; U38A.A10 v1(48.81,78.4) ; U75.AG5 v1(98.39,162.51) ; U77.L26 v1(112.39,94.29) ; U77.G4 v1(116.39,116.29) ; U77.AN43 v1(89.61,76.51) ; U77.L14 v1(112.39,106.29) ; R25.2 v1(15,110.77) ; U77.AC32 v1(100.39,87.51) ; U32A.B10 v1(45.69,160.4) ; U75.F5 v1(76.61,162.51) ; U77.BE15 v1(77.61,105.29) ; U77.BC14 v1(79.61,106.29) ; U75.AV38 v1(109.39,196.29) ; U75.AG26 v1(98.39,184.29) ; Q4.2 v1(9.5,205.55) ; U33A.A10 v1(48.81,147.4) ; U75.AA4 v1(91.61,161.51) ; U35A.B7 v1(45.69,118.9) ; U75.AH39 v1(99.39,197.29) ; U35A.B1 v1(45.69,121.9) ; U75.AT5 v1(107.39,162.51) ; U37A.B1 v1(45.69,95.9) ; P3.7 v1(178.38,116.42) ; U77.AM51 v1(90.61,68.51) ; U77.AP7 v1(88.61,113.29) ; U75.C44 v1(73.61,202.29) ; U24A.A4 v1(48.81,267.4) ; U77.BG17 v1(75.61,103.29) ; U28A.A1 v1(48.81,216.9) ; U77.H5 v1(115.39,115.29) ; U75.AD15 v1(94.61,172.51) ; U77.H50 v1(115.39,69.51) ; U77.AG30 v1(95.61,89.51) ; U75.BE35 v1(116.39,193.29) ; U75.BF20 v1(117.39,177.51) ; U77.BB1 v1(80.61,119.29) ; U75.Y25 v1(90.61,182.51) ; U77.AT2 v1(86.61,118.29) ; U75.AJ43 v1(100.39,201.29) ; U15.12 v1(17.62,241.97) ; U29A.B1 v1(45.69,203.9) ; U6.3 v1(11.5,92.9) ; U75.V27 v1(88.61,185.29) ; U75.G28 v1(77.61,186.29) ; U77.AA9 v1(102.39,111.29) ; U75.P45 v1(84.61,203.29) ; U77.BG8 v1(75.61,112.29) ; U75.AD40 v1(94.61,198.29) ; U75.BH37 v1(119.39,195.29) ; U75.AR5 v1(106.39,162.51) ; U77.BL4 v1(71.61,116.29) ; U77.B47 v1(121.39,72.51) ; U77.AG26 v1(95.61,94.29) ; U77.AN49 v1(89.61,70.51) ; U75.AK45 v1(101.39,203.29) ; U77.BG34 v1(75.61,85.51) ; U77.BL17 v1(71.61,103.29) ; U75.AP5 v1(105.39,162.51) ; U75.AU30 v1(108.39,188.29) ; Q10.2 v1(9.6,107.55) ; U75.AW5 v1(110.39,162.51) ; U77.BJ35 v1(73.61,84.51) ; U75.AC3 v1(93.61,160.51) ; U77.D32 v1(119.39,87.51) ; U75.V25 v1(88.61,182.51) ; U77.AG38 v1(95.61,81.51) ; U75.AE20 v1(95.61,177.51) ; U75.AM38 v1(103.39,196.29) ; U77.J40 v1(114.39,79.51) ; U30A.B4 v1(45.69,189.4) ; U75.BG16 v1(118.39,173.51) ; U75.L3 v1(81.61,160.51) ; U33A.A7 v1(48.81,148.9) ; C10.2 v1(18.89,227.45) ; U75.A17 v1(71.61,174.51) ; U77.BL40 v1(71.61,79.51) ; U75.BJ3 v1(120.39,160.51) ; U77.BH21 v1(74.61,99.29) ; U75.AM33 v1(103.39,191.29) ; U77.AV1 v1(84.61,119.29) ; U77.M50 v1(111.39,69.51) ; U37A.B4 v1(45.69,94.4) ; U77.AE49 v1(98.39,70.51) ; U77.L40 v1(112.39,79.51) ; U75.T38 v1(86.61,196.29) ; U77.AA20 v1(102.39,100.29) ; U77.U39 v1(106.39,80.51) ; U75.R38 v1(85.61,196.29) ; U75.AP17 v1(105.39,174.51) ; U77.BF5 v1(76.61,115.29) ; U41A.B13 v1(45.69,37.9) ; J5.5 v1(8.66,174.46) ; U77.AG5 v1(95.61,115.29) ; U75.AF5 v1(97.39,162.51) ; U77.E35 v1(118.39,84.51) ; U75.J48 v1(79.61,206.29) ; U77.H47 v1(115.39,72.51) ; U75.AA20 v1(91.61,177.51) ; U119.3 v1(166,105.9) ; U77.AG49 v1(95.61,70.51) ; U30A.B7 v1(45.69,187.9) ; U77.BJ49 v1(73.61,70.51) ; U77.BG3 v1(75.61,117.29) ; U77.AV25 v1(84.61,95.29) ; U5.8 v1(13.5,173.4) ; U29A.A1 v1(48.81,203.9) ; U75.C35 v1(73.61,193.29) ; U77.AH46 v1(94.61,73.51) ; U77.AF42 v1(97.39,77.51) ; U77.AL26 v1(91.61,94.29) ; U75.BA38 v1(112.39,196.29) ; U77.L44 v1(112.39,75.51) ; U75.BK10 v1(121.39,167.51) ; U75.AK31 v1(101.39,189.29) ; U75.E9 v1(75.61,166.51) ; U77.AH39 v1(94.61,80.51) ; U36A.B7 v1(45.69,105.9) ; U77.AP50 v1(88.61,69.51) ; U75.BK29 v1(121.39,187.29) ; U75.C31 v1(73.61,189.29)
  TOP w0.254: 156.6,65.99 C529.2 ; C529.2 157.5,65.24 ; C529.2 158.4,65.99 ; C514.2 153.4,30.49 ; C514.2 151.6,30.49 ; C514.2 152.5,29.74 ; C521.2 155.9,63.81 ; C521.2 154.1,63.81 ; C521.2 155,64.56 ; 156.6,63.81 C530.2 ; C530.2 157.5,64.56 ; C530.2 158.4,63.81 ; C531.2 158.4,30.49 ; C531.2 156.6,30.49 ; C531.2 157.5,29.74 ; C507.2 150.5,99.56 ; C507.2 149.6,98.81 ; C507.2 151.4,98.81 ; 148,100.24 C502.2 ; C502.2 148.9,100.99 ; C502.2 147.1,100.99 ; 140.5,217.24 C459.2 ; C459.2 141.4,217.99 ; C459.2 139.6,217.99 ; 139.6,139.81 C464.2 ; C464.2 141.4,139.81 ; C464.2 140.5,140.56 ; 137.1,141.99 C447.2 ; C447.2 138.9,141.99 ; C447.2 138,141.24 ; 139.6,255.99 C457.2 ; C457.2 140.5,255.24 ; C457.2 141.4,255.99 ; C444.2 138.9,215.81 ; C444.2 137.1,215.81 ; C444.2 138,216.56 ; 151.6,63.81 C513.2 ; C513.2 153.4,63.81 ; C513.2 152.5,64.56 ; 143,179.24 C494.2 ; C494.2 142.1,179.99 ; C494.2 143.9,179.99 ; 149.6,100.99 C506.2 ; C506.2 150.5,100.24 ; C506.2 151.4,100.99 ; C495.2 143.9,177.81 ; C495.2 143,178.56 ; C495.2 142.1,177.81 ; 137.1,179.99 C445.2 ; C445.2 138,179.24 ; C445.2 138.9,179.99 ; C491.2 143.9,253.81 ; C491.2 143,254.56 ; C491.2 142.1,253.81 ; C446.2 138.9,177.81 ; C446.2 138,178.56 ; C446.2 137.1,177.81 ; C443.2 138.9,217.99 ; C443.2 137.1,217.99 ; C443.2 138,217.24 ; 154.1,65.99 C520.2 ; C520.2 155,65.24 ; C520.2 155.9,65.99 ; C442.2 138.9,253.81 ; C442.2 138,254.56 ; C442.2 137.1,253.81 ; C448.2 138,140.56 ; C448.2 138.9,139.81 ; C448.2 137.1,139.81 ; C523.2 155,29.06 ; C523.2 154.1,28.31 ; C523.2 155.9,28.31 ; 144.6,98.81 C499.2 ; C499.2 146.4,98.81 ; C499.2 145.5,99.56 ; 139.6,177.81 C462.2 ; C462.2 141.4,177.81 ; C462.2 140.5,178.56 ; 151.6,65.99 C512.2 ; C512.2 152.5,65.24 ; C512.2 153.4,65.99 ; C515.2 152.5,29.06 ; C515.2 151.6,28.31 ; C515.2 153.4,28.31 ; 145.5,100.24 C498.2 ; C498.2 146.4,100.99 ; C498.2 144.6,100.99 ; C458.2 140.5,254.56 ; C458.2 141.4,253.81 ; C458.2 139.6,253.81 ; C503.2 148.9,98.81 ; C503.2 147.1,98.81 ; C503.2 148,99.56 ; 142.1,139.81 C497.2 ; C497.2 143.9,139.81 ; C497.2 143,140.56 ; C532.2 157.5,29.06 ; C532.2 158.4,28.31 ; C532.2 156.6,28.31 ; 139.6,141.99 C463.2 ; C463.2 140.5,141.24 ; C463.2 141.4,141.99 ; C460.2 140.5,216.56 ; C460.2 141.4,215.81 ; C460.2 139.6,215.81 ; C441.2 138.9,255.99 ; C441.2 138,255.24 ; C441.2 137.1,255.99 ; 143,141.24 C496.2 ; C496.2 143.9,141.99 ; C496.2 142.1,141.99 ; C490.2 143.9,255.99 ; C490.2 143,255.24 ; C490.2 142.1,255.99 ; C493.2 143.9,215.81 ; C493.2 142.1,215.81 ; C493.2 143,216.56 ; 140.5,179.24 C461.2 ; C461.2 139.6,179.99 ; C461.2 141.4,179.99 ; C492.2 143.9,217.99 ; C492.2 143,217.24 ; C492.2 142.1,217.99 ; 154.1,30.49 C522.2 ; C522.2 155,29.74 ; C522.2 155.9,30.49